# Altium PCB LimeSDR-PCIe_1v3.PcbDoc (part 5 of 10) (continued)
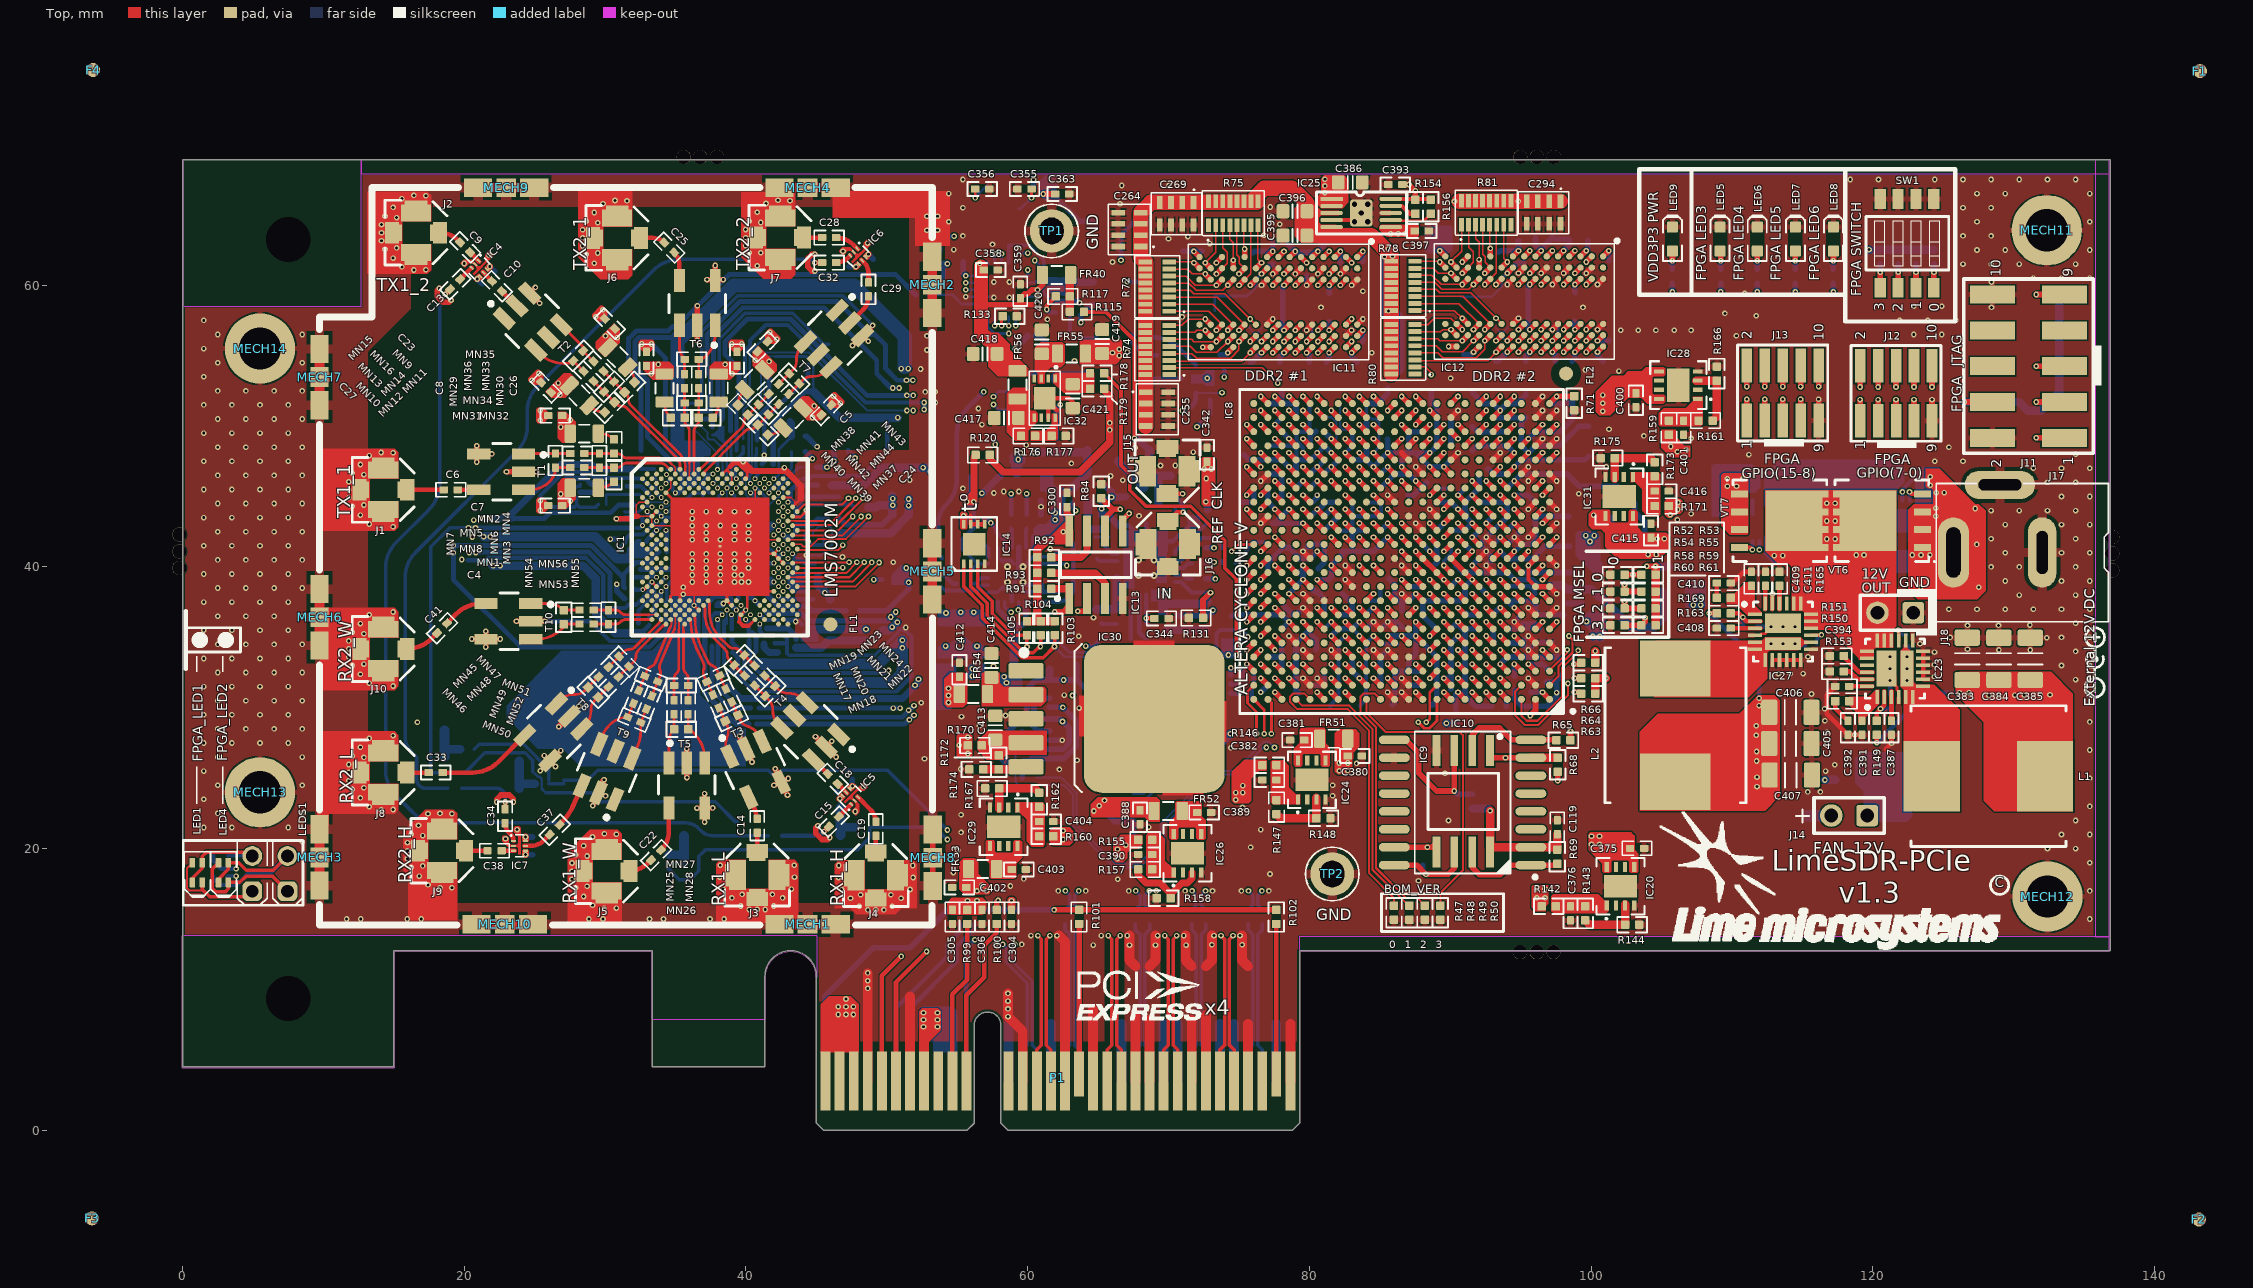
[diagram p0: Top view]
## Nets (pads, with @x,y where several pads share a name; then routed paths per layer and width w, separated by ;. In a path a pad name is that pad's centre, name@x,y a point inside that pad or via, vN(x,y) a via of type N, cw(c..) or ccw(c..) an arc to the next point about the centre after c; other vN are vias at no path point) (continued)
  Bottom w0.4: v1(30.375,41.975) 30.394,41.956 C76.2@30.869,41.956 ; v1(30.8,43.425) 30.835,43.39 31.375,43.39 31.485,43.5 32.044,43.5 C59.2@32.044,43.506 ; v1(30.825,38.775) 30.825,38.3 C96.2@31.394,37.731 ; C97.2@32.524,39.836 35.239,39.836 ; v1(37.184,41.927) 37.684,41.927 R11.2@38.404,42.646 ; v1(39.184,41.927) 39.123,41.927 R11.2@38.404,42.646 ; v1(39.184,42.927) 38.684,42.927 R11.2@38.404,42.646 ; IC16.25@59.375,39.712 IC16.4@59.375,41.387 ; C329.1@60.95,43.712 C316.1@60.95,44.737 ; IC2.7@61.55,27.7 v1(62.45,27.7) ; C352.1@73.825,40.35 C352.1@73.875,40.35 ; 75.125,44.6 76.025,44.6 C104.2@76.025,44.575 76.05,44.6 76.05,45.575 C101.2@76.025,45.575 ; C189.2@77.1,46.6 C206.2@78.05,46.6 R41.1@78.05,45.6 78.05,44.825 78.025,44.8 ; 77.175,33.625 77.2,33.6 C208.2@78.05,33.6 ; 77.225,51.6 R43.1@78.05,51.6 ; C211.2@78.05,32.625 C208.2@78.05,33.6 ; C192.2@78.05,34.6 C208.2@78.05,33.6 ; R43.1@78.05,51.684 78.05,52.509 ; 78.25,37.175 78.825,36.6 C180.2@79.05,36.6 v1(79.55,37.1) C209.2@80.05,36.6 ; R43.1@78.343,51.6 79.075,51.6 C210.2@79.075,51.575 79.075,51.332 79.05,51.332 79.05,50.625 C212.2@79.075,50.6 ; v1(79.55,41.1) 80.025,41.575 C203.2@80.075,41.575 80.196,41.454 80.343,41.6 80.854,41.6 81.05,41.404 81.05,40.3 C165.1@80.625,39.875 ; v1(79.8,60) 79.8,60.625 C270.1@79.825,60.65 ; C216.2@80.05,46.6 v1(80.55,47.1) 80.6,47.1 C200.2@81.05,47.55 ; C143.1@80.1,48.6 80.05,48.65 80.05,49.307 80.343,49.6 80.425,49.6 80.45,49.625 ; 80.475,31.6 C179.2@81.075,31.6 81.05,31.625 81.05,32.4 ; C227.2@81.05,43.55 81.05,43.6 v1(81.55,44.1) ; C177.2@82.05,36.625 82.05,36.6 83.025,36.6 C176.2@83.05,36.625 83.05,37.4 C122.1@82.35,38.1 ; C178.2@83.075,33.625 83.05,33.6 83.05,32.868 83.075,32.868 C175.2@83.075,32.625 83.075,32.575 v1(83.55,32.1) ; 84.05,50.284 84.05,49.625 C202.2@84.075,49.6 ; C249.2@84.075,35.65 84.1,35.65 v1(84.55,36.1) 85.05,35.6 C240.2@85.075,35.6 85.55,36.075 v1(85.55,36.1) 86.2,36.1 C228.2@86.575,35.725 ; v1(84.55,34.1) 85.05,33.6 C229.2@85.05,31.6 ; C182.2@85.075,33.6 85.075,33.625 v1(85.55,34.1) C166.1@86.15,33.5 ; C139.1@87,45.1 87.425,45.1 88.325,46 ; C234.2@87.05,31.65 87.1,31.6 88.05,31.6 C162.2@88.05,31.65 ; v1(88.55,35.1) 88.975,35.525 C161.1@88.975,35.625 88.074,36.526 88.074,36.869 88.05,36.869 88.05,37.601 C222.2@88.074,37.625 88.074,37.6 88.757,37.6 88.782,37.625 89.318,37.625 89.318,37.6 89.757,37.6 89.782,37.625 C248.2@90.05,37.625 90.318,37.625 90.318,37.6 90.757,37.6 90.782,37.625 C244.2@91.05,37.625 91.05,38.6 v1(91.55,39.1) v1(92.55,38.1) 93.025,37.625 C125.2@93.075,37.625 ; v1(88.55,42.1) C235.2@89.075,41.575 89.05,41.55 89.05,40.868 89.075,40.843 89.075,40.332 88.7,39.957 C153.1@88.7,39.95 v1(89.55,39.1) ; v1(89.55,32.1) 90.025,32.1 ; C199.2@90,48.6 90.075,48.675 90.075,48.868 90.05,48.893 90.05,49.307 90.075,49.332 90.075,49.868 90.05,49.868 90.05,50.55 C201.2@90.075,50.575 ; 90.05,31.307 C245.2@90.05,34.575 90.55,35.075 v1(90.55,35.1) ; C214.2@90.05,42.6 91.05,42.6 v1(91.55,43.1) 91.05,43.6 C225.2@91.025,43.6 91.184,43.759 91.05,43.893 91.05,44.6 v1(91.55,45.1) ; 91.125,36.7 91.225,36.6 92.025,36.6 C167.1@92.025,36.625 ; C147.1@91.55,49.95 91.925,49.575 92.318,49.575 92.343,49.6 92.782,49.6 92.782,49.575 93.318,49.575 93.343,49.6 94.05,49.6 C194.2@94.05,49.575 ; C140.1@91.65,52.45 91.65,52.293 92.343,51.6 93.075,51.6 93.075,51.575 v1(93.55,51.1) 93.55,51.125 C169.2@94.05,51.625 94.05,51.6 94.757,51.6 95.35,52.193 C135.1@95.35,52.3 ; 92.025,46.35 92.05,46.325 92.05,45.6 C242.2@92.075,45.575 92.025,45.575 v1(91.55,45.1) ; v1(92.55,40.1) C215.2@93.05,40.6 92.1,41.55 C131.2@92.1,41.625 93.05,42.575 C238.2@93.075,42.575 94.05,43.55 94.05,44.6 C138.2@94,44.6 92.05,44.6 v1(91.55,45.1) ; C221.2@93.025,35.625 93.05,35.6 93.05,34.725 93.125,34.65 ; C193.2@94.05,34.6 95.05,34.6 v1(95.55,35.1) ; C137.1@94.075,41.575 94.075,41.625 v1(94.55,42.1) C156.2@95.05,42.6 ; v1(94.55,36.1) 95.025,36.575 C174.2@95.025,36.625 ; C148.1@95.05,34.575 95.075,34.575 v1(95.55,34.1) C190.2@96.025,34.575 96.1,34.65 97.225,34.65 ; C219.2@97.075,42.575 97.075,42.625 v1(97.55,43.1) ; C184.2@98.35,37.4 C183.2@99.325,37.4
  Bottom w0.6: C339.1@64.25,43.675 C338.1@64.25,44.675 ; 64.875,37 C350.1@66.275,37 ; C350.1@66.325,37.05 66.325,39.2 ; 69.875,35.55 C340.2@70.625,35.55 C341.2@72.625,35.55
  Bottom w0.7: P1.A4@48.65,3.5 48.65,7.55 ; P1.A12@58.65,3.5 58.65,7.55 ; P1.A15@61.65,3.5 61.65,7.55 ; P1.A18@64.65,3.5 64.65,7.55 ; P1.A20@66.65,3.5 66.65,7.55 ; P1.A23@69.65,3.5 69.65,7.55 ; P1.A24@70.65,3.5 70.65,7.55 ; P1.A27@73.65,3.5 73.65,7.55 ; P1.A28@74.65,3.5 74.65,7.55 ; P1.A31@77.65,3.5 77.65,7.55
  Bottom w1: 62.125,53.425 64.15,53.425 XO1.2@64.225,53.5
  other v1: 58.6,8.625 58.6,9.175 48.65,10.075 48.65,10.625 48.65,11.175 64.65,13.15 67.225,13.15 69.075,13.15 71.25,13.15 73.075,13.175 75.225,13.175 57.725,13.2 59.575,13.2 60.225,13.825 62.075,13.825 65.225,13.825 67.075,13.825 69.225,13.825 71.075,13.825 73.225,13.825 75.075,13.825 11.65,15 12.65,15 15.95,15 16.95,15 28.85,15 29.85,15 33.15,15 34.15,15 37.45,15 38.45,15 135.4,15 48.641,15.65 49.216,15.65 49.791,15.65 40.225,15.675 40.8,15.675 41.375,15.675 29.95,15.75 30.8,15.775 48.041,15.9 50.391,15.9 39.625,15.925 41.975,15.925 29.1,15.975 47.416,16.475 51.016,16.475 39,16.5 42.6,16.5 28.475,16.6 39.725,16.75 41.875,16.75 48.141,16.725 50.291,16.725 62.175,17 64.125,17 67.175,17 69.125,17 71.175,17 73.125,17 75.175,17 77.125,17 135.4,17 46.791,17.1 51.641,17.1 38.375,17.125 43.225,17.125 18.275,17.2 19.125,17.225 27.9,17.225 28.725,17.325 58.775,17.35 17.425,17.425 87.75,17.725 27.65,17.825 66.4,17.825 59.725,17.85 46.566,17.95 51.866,17.95 38.15,17.975 43.45,17.975 16.8,18.05 77.2,18.2 54.725,18.3 27.65,18.4 16.225,18.675 17.05,18.775 46.591,18.8 51.841,18.8 38.175,18.825 43.425,18.825 27.65,18.975 135.4,19 15.975,19.275 28.725,19.475 27.9,19.575 15.975,19.85 55.025,19.875 132.4,20 134.4,20 75.825,20.1 28.475,20.2 15.975,20.425 8.5,20.5 22.925,20.7 29.1,20.825 17.05,20.925 133.4,21 135.4,21 16.225,21.025 30.8,21.025 29.95,21.05 55.275,21.15 23.75,21.35 76.55,21.35 1.5,21.5 3.5,21.5 7.5,21.5 68.6,21.525 16.75,21.65 89.875,22 134.4,22 55.275,22.4 17.425,22.475 19.125,22.475 2.5,22.5 8.5,22.5 18.275,22.5 47.764,22.632 14.1,22.75 14.95,22.775 75.25,22.925 13.25,22.975 135.4,23 1.5,23.5 12.625,23.6 81.65,23.75 115.375,24.025 116.275,24.025 12.05,24.225 12.875,24.325 48.347,24.383 2.5,24.5 8.5,24.5 81.65,24.5 11.8,24.825 135.4,25 89.625,25.35 11.8,25.4 1.5,25.5 116.65,25.5 62.25,25.625 55.25,25.65 26.474,25.832 117.3,25.95 11.8,25.975 83.35,26.05 63.5,26.275 52.675,26.375 12.875,26.475 2.5,26.5 8.5,26.5 12.05,26.575 135.4,27 74.425,27.15 12.625,27.2 1.5,27.5 3.5,27.5 5.5,27.5 7.5,27.5 116.725,27.525 13.25,27.825 14.95,28.025 118.725,28.076 116.725,28.275 2.5,28.5 4.5,28.5 6.5,28.5 8.5,28.5 56.575,28.725 16.675,28.975 135.4,29 116.6,29.075 55.3,29.375 58.425,29.45 1.5,29.5 3.5,29.5 5.5,29.5 7.5,29.5 116.575,29.925 63.65,29.975 28.149,30.107 52.45,30.35 2.5,30.5 4.5,30.5 6.5,30.5 8.5,30.5 62.6,30.9 115.65,30.975 135.4,31 1.5,31.5 3.5,31.5 5.5,31.5 7.5,31.5 14.95,31.55 13.25,31.75 134.4,32 124.374,32.201 12.625,32.375 113.3,32.425 114.15,32.425 115.05,32.425 2.5,32.5 4.5,32.5 6.5,32.5 8.5,32.5 57.575,32.95 12.05,33 133.4,33 135.4,33 124.374,33.051 12.875,33.1 1.5,33.5 3.5,33.5 5.5,33.5 7.5,33.5 11.8,33.6 115.4,33.625 124.374,33.951 134.4,34 128.95,34.1 131.175,34.1 126.724,34.151 11.8,34.175 2.5,34.5 4.5,34.5 6.5,34.5 8.5,34.5 123.349,34.551 11.8,34.75 132.35,34.975 125.5,35 133.4,35 135.4,35 63.625,35.075 12.875,35.25 12.05,35.35 1.5,35.5 3.5,35.5 5.5,35.5 7.5,35.5 51.35,35.7 126.725,35.85 128.925,35.85 131.15,35.875 12.625,35.975 134.4,36 43.525,36.125 64.675,36.4 2.5,36.5 4.5,36.5 6.5,36.5 8.5,36.5 13.25,36.6 14.95,36.8 125.4,37 127.4,37 129.4,37 131.4,37 133.4,37 135.4,37 1.5,37.5 3.5,37.5 5.5,37.5 7.5,37.5 130.4,38 134.4,38 35.549,38.056 2.5,38.5 4.5,38.5 6.5,38.5 8.5,38.5 35.549,38.556 36.184,38.927 37.184,38.927 38.184,38.937 39.184,38.927 39.684,38.927 40.184,38.927 129.4,39 133.4,39 135.4,39 36.184,39.427 37.184,39.427 39.184,39.427 39.684,39.427 38.184,39.437 1.5,39.5 3.5,39.5 5.5,39.5 7.5,39.5 36.184,39.927 37.184,39.927 38.184,39.937 39.184,39.927 128.4,40 130.4,40 134.4,40 50.45,40.325 36.184,40.427 37.184,40.427 38.184,40.437 39.184,40.427 40.184,40.427 2.5,40.5 4.5,40.5 6.5,40.5 8.5,40.5 19.825,40.525 46.85,40.7 44.275,40.825 36.184,40.927 37.184,40.927 39.184,40.927 38.184,40.937 129.4,41 133.4,41 135.4,41 61.6,41.275 1.5,41.5 3.5,41.5 5.5,41.5 7.5,41.5 36.184,41.927 38.184,41.937 128.4,42 134.4,42 20.575,42.125 36.184,42.427 37.184,42.427 39.184,42.427 40.184,42.427 2.5,42.5 4.5,42.5 6.5,42.5 8.5,42.5 14.95,42.85 36.184,42.927 37.184,42.927 38.184,42.937 40.184,42.927 129.4,43 133.4,43 135.4,43 13.25,43.05 20.675,43.325 106.125,43.35 36.184,43.427 1.5,43.5 3.5,43.5 5.5,43.5 7.5,43.5 67.9,43.625 12.625,43.675 107.1,43.775 39.184,43.927 38.184,43.937 128.4,44 130.4,44 132.4,44 134.4,44 60.95,44.275 12.05,44.3 12.875,44.4 2.5,44.5 4.5,44.5 6.5,44.5 8.5,44.5 11.8,44.9 133.4,45 135.4,45 99.125,45.2 57.6,45.25 58.3,45.35 59.375,45.35 11.8,45.475 1.5,45.5 3.5,45.5 5.5,45.5 7.5,45.5 55.4,45.575 132.4,46 134.4,46 11.8,46.05 66.75,46.15 51.625,46.175 65.875,46.45 2.5,46.5 4.5,46.5 6.5,46.5 8.5,46.5 12.875,46.55 12.05,46.65 131.4,47 133.4,47 135.4,47 42.725,47.05 46.575,47.075 101.075,47.1 69.425,47.2 70.475,47.2 12.625,47.275 63.1,47.35 39.8,47.475 1.5,47.5 3.5,47.5 5.5,47.5 7.5,47.5 124.4,47.5 126.4,47.5 67.35,47.675 13.25,47.9 41.304,47.931 111.2,47.975 134.4,48 14.95,48.1 14.1,48.125 71.75,48.15 67.625,48.45 2.5,48.5 4.5,48.5 6.5,48.5 8.5,48.5 125.4,48.5 59.9,48.65 107.1,49.125 103.75,49.3 1.5,49.5 3.5,49.5 5.5,49.5 7.5,49.5 101.275,49.775 56.75,50.1 25.395,50.403 2.5,50.5 4.5,50.5 6.5,50.5 8.5,50.5 25.395,51.103 56.5,51.25 1.5,51.5 3.5,51.5 5.5,51.5 7.5,51.5 46.705,51.628 53.45,51.675 46.21,52.123 52.725,52.425 53.425,52.425 2.5,52.5 4.5,52.5 6.5,52.5 8.5,52.5 24.811,53.24 90.025,53.4 1.5,53.5 25.306,53.735 101.975,53.9 99.6,53.975 52.4,54.05 2.5,54.5 8.5,54.5 63.325,54.625 84.425,55.2 52.85,55.4 1.5,55.5 32.595,55.826 38.995,55.826 39.695,55.826 42.18,56.153 52.85,56.4 110.314,56.414 2.5,56.5 8.5,56.5 122.9,56.5 124.9,56.5 102.1,56.8 103.35,56.8 104.6,56.8 105.9,56.8 107.1,56.8 1.5,57.5 121.9,57.5 123.9,57.5 125.9,57.5 61.4,57.575 29.336,57.766 70.975,57.75 111.728,57.828 109.5,58 29.831,58.261 80.825,58.425 99.425,58.425 128.425,58.425 122.9,58.5 124.9,58.5 57.6,59.125 58.7,59.125 110.914,59.414 83.8,59.575 57.6,60.225 58.7,60.225 128.425,60.225 131.4,60.5 133.4,60.5 135.4,60.5 16.425,61.075 17.275,61.1 15.575,61.3 40.8,61.375 126.4,61.5 128.4,61.5 130.4,61.5 134.4,61.5 20.006,61.537 29.225,61.56 66.025,61.65 14.95,61.925 21.756,62.121 28.65,62.185 29.475,62.285 40.225,62.3 41.05,62.3 46.886,62.407 127.4,62.5 129.4,62.5 135.4,62.5 54.75,62.525 14.375,62.55 15.2,62.65 28.4,62.785 39.975,62.8 57.5,62.9 72.925,62.95 48.636,62.99 14.125,63.15 70,63.3 28.4,63.36 39.975,63.375 71.375,63.45 55.4,63.5 126.4,63.5 128.4,63.5 76.775,63.55 14.125,63.725 52.85,63.9 53.6,63.9 28.4,63.935 39.975,63.95 14.125,64.3 77.9,64.325 29.475,64.435 41.05,64.45 54.4,64.5 127.4,64.5 135.4,64.5 28.65,64.535 40.225,64.55 15.2,64.8 14.375,64.9 52.85,64.9 53.6,64.9 77.225,64.925 29.225,65.16 40.8,65.175 55.4,65.5 126.4,65.5 128.4,65.5 14.95,65.525 77.225,65.55 29.85,65.785 66.55,65.775 41.425,65.8 31.55,65.985 43.125,66 30.7,66.01 42.275,66.025 15.575,66.15 17.275,66.35 16.425,66.375 54.4,66.5 127.4,66.5 129.4,66.5 135.4,66.5 14.325,66.9 16.325,66.9 18.325,66.9 27.625,66.9 29.625,66.9 31.625,66.9 33.625,66.9 35.625,66.9 37.625,66.9 39.625,66.9 66.675,67.075 70.025,67.075 55.4,67.5 118.4,67.5 120.4,67.5 122.4,67.5 124.4,67.5 126.4,67.5 128.4,67.5 130.4,67.5 132.4,67.5 134.4,67.5
  other v2: 34.35,46.55
  other v3: 121.224,31.926 112.775,35.75 113.625,35.75 58.575,38.912 67.875,39.375 68.975,39.375 58.575,40.012 67.875,40.475 68.975,40.475
LM75_OS: IC8.K14 IC14.3 R105.2 | length 41.5
  Top w0.25: IC14.3@56.45,40.225 56.45,38.6 57.475,37.575 57.475,36.675 59,35.15 R105.2@59.95,35.15 v1(59.95,34.325)
  Top w0.4: v1(83.55,40.1) IC8.K14@84.05,39.6
  L3 w0.1: v1(59.95,34.325) 60.475,33.8 63.184,33.8 65.734,31.25 74.654,31.25 75.029,30.875 75.967,30.875 76.292,30.55 80.495,30.55 83.2,33.255 83.2,39.75 v1(83.55,40.1)
LMK_CLK: IC8.B9 IC16.15 | length 39.8
  Top w0.2: v1(88.3,28.975) 88.55,29.225 88.55,31.1 IC8.B9@89.05,31.6
  L5 w0.1: v1(59.325,36.95) 60.45,35.825 60.45,33.58 63.155,30.875 v1(63.175,30.875)
  L8 w0.1: v1(63.175,30.875) 66.4,34.1 75.055,34.1 75.405,33.75 82.395,33.75 86.42,29.725 87.55,29.725 v1(88.3,28.975)
  Bottom w0.25: v1@59.375,36.95 IC16.15@59.375,37.537
LMS_CORE_LDO_EN: IC1.U33 IC8.C4 R5.1 | length 60.9
  Top w0.11: IC1.U33@43.31,41.599 43.924,41.599
  Top w0.13: 43.924,41.599 44.081,41.441 44.575,41.441 45.117,41.983 47.099,41.983 48.666,43.55 v1@48.7,43.55
  Top w0.4: v1(93.55,33.1) IC8.C4@94.05,32.6
  L9 w0.1: v1(48.7,43.575) 49.919,42.356 61.344,42.356 62.825,40.875 73.8,40.875 73.975,40.7 79.45,40.7 81.425,38.725 87.42,38.725 93.045,33.1 v1(93.55,33.1)
  Bottom w0.4: v1(93.55,33.1) 94.05,33.6 97.625,33.6 R5.1@97.925,33.3
LMS_DIQ1_D0: IC1.AG31 IC8.D9 | length 59.3
  Top w0.4: v1(88.55,33.1) IC8.D9@89.05,33.6
  L4 w0.1: v2(42.644,38.269) 42.644,37.506 42.8,37.35 51.065,37.35 52.665,35.75 57.475,35.75 57.716,35.75 58.791,34.675 62.125,34.675 cw(c62.125,34.371) 62.429,34.371 62.429,34.304 ccw(c62.733,34.304) 62.733,34 ccw(c62.733,34.304) 63.037,34.304 63.037,34.371 cw(c63.341,34.371) 63.341,34.675 63.375,34.675 64.225,34.675 64.9,34 65.175,34 65.333,34 ccw(c65.333,34.146) 65.479,34.146 cw(c65.783,34.146) 65.783,34.45 cw(c65.783,34.146) 66.087,34.146 ccw(c66.233,34.146) 66.233,34 66.391,34 ccw(c66.391,34.304) 66.695,34.304 66.695,34.449 cw(c66.999,34.449) 66.999,34.753 cw(c66.999,34.449) 67.303,34.449 67.303,34.304 ccw(c67.607,34.304) 67.607,34 ccw(c67.607,34.304) 67.911,34.304 67.911,34.449 cw(c68.215,34.449) 68.215,34.753 cw(c68.215,34.449) 68.519,34.449 68.519,34.304 ccw(c68.823,34.304) 68.823,34 ccw(c68.823,34.304) 69.127,34.304 69.127,34.449 cw(c69.431,34.449) 69.431,34.753 cw(c69.431,34.449) 69.735,34.449 69.735,34.304 ccw(c70.039,34.304) 70.039,34 70.114,34 ccw(c70.114,34.229) 70.343,34.229 cw(c70.647,34.229) 70.647,34.533 cw(c70.647,34.229) 70.951,34.229 ccw(c71.18,34.229) 71.18,34 71.255,34 ccw(c71.255,34.304) 71.559,34.304 71.559,34.449 cw(c71.863,34.449) 71.863,34.753 cw(c71.863,34.449) 72.167,34.449 72.167,34.304 ccw(c72.471,34.304) 72.471,34 72.65,34 72.808,34 74.558,35.75 77.025,35.75 77.138,35.637 77.138,34.712 77.325,34.525 77.55,34.525 77.854,34.525 78.166,34.525 cw(c78.166,34.229) 78.462,34.229 ccw(c78.766,34.229) 78.766,33.925 ccw(c78.766,34.229) 79.07,34.229 cw(c79.366,34.229) 79.366,34.525 79.425,34.525 79.75,34.525 80.054,34.525 80.366,34.525 cw(c80.366,34.229) 80.662,34.229 ccw(c80.966,34.229) 80.966,33.925 ccw(c80.966,34.229) 81.27,34.229 cw(c81.566,34.229) 81.566,34.525 81.878,34.525 81.9,34.525 85.63,34.525 85.8,34.355 85.8,33.638 86.488,32.95 86.9,32.95 87.375,33.425 87.825,33.425 88.15,33.1 v1(88.55,33.1)
LMS_DIQ1_D1: IC1.AF30 IC8.B7 | length 59.2
  Top w0.4: v1(90.55,32.1) IC8.B7@91.05,31.6
  L4 w0.1: v2(42.311,38.602) 41.986,38.277 41.986,37.801 42.637,37.15 50.982,37.15 52.582,35.55 57.633,35.55 59.383,33.8 59.825,33.8 59.877,33.8 ccw(c59.877,34.052) 60.129,34.052 cw(c60.433,34.052) 60.433,34.356 cw(c60.433,34.052) 60.737,34.052 60.737,33.8 60.737,33.304 ccw(c61.041,33.304) 61.041,33 ccw(c61.041,33.304) 61.345,33.304 61.345,33.496 cw(c61.649,33.496) 61.649,33.8 61.8,33.8 69.075,33.8 69.302,33.8 cw(c69.302,33.496) 69.606,33.496 69.606,33.304 ccw(c69.91,33.304) 69.91,33 ccw(c69.91,33.304) 70.214,33.304 70.214,33.496 cw(c70.518,33.496) 70.518,33.8 cw(c70.518,33.496) 70.822,33.496 70.822,33.304 ccw(c71.126,33.304) 71.126,33 ccw(c71.126,33.304) 71.43,33.304 71.43,33.496 cw(c71.734,33.496) 71.734,33.8 cw(c71.734,33.496) 72.038,33.496 72.038,33.405 ccw(c72.342,33.405) 72.342,33.101 ccw(c72.342,33.405) 72.646,33.405 72.646,33.496 cw(c72.95,33.496) 72.95,33.8 73.167,33.8 74.892,35.525 75.63,35.525 77.43,33.725 85.43,33.725 86.405,32.75 90.325,32.75 90.55,32.525 v1(90.55,32.1)
LMS_DIQ1_D2: IC1.AF34 IC8.H8 | length 59.4
  Top w0.15: IC1.AF34@43.643,38.602 47.752,38.602 v1@49.457,40.307
  Top w0.4: v1(89.55,38.1) IC8.H8@90.05,37.6
  L4 w0.1: v1(49.45,40.314) 50.136,41 51.133,41 52.62,39.512 52.95,39.512 ccw(c52.95,39.912) 53.35,39.912 53.35,40.112 cw(c53.75,40.112) 53.75,40.512 cw(c53.75,40.112) 54.15,40.112 54.15,39.912 ccw(c54.55,39.912) 54.55,39.512 ccw(c54.55,39.912) 54.95,39.912 54.95,40.112 cw(c55.35,40.112) 55.35,40.512 cw(c55.35,40.112) 55.75,40.112 55.75,39.912 ccw(c56.15,39.912) 56.15,39.512 ccw(c56.15,39.912) 56.55,39.912 56.55,40.112 cw(c56.95,40.112) 56.95,40.512 cw(c56.95,40.112) 57.35,40.112 57.35,39.912 ccw(c57.75,39.912) 57.75,39.512 58.025,39.512 59.741,39.512 60.678,40.45 65.1,40.45 65.875,39.675 68.375,39.675 68.55,39.85 68.55,40.725 68.7,40.875 69.141,40.875 69.35,40.666 69.35,39.9 69.553,39.697 69.978,39.697 70.181,39.9 74.775,39.9 75.325,40.45 80.695,40.45 81,40.145 81,39.725 81.175,39.55 82.675,39.55 82.9,39.325 82.9,39.075 83.05,38.925 83.475,38.925 83.625,39.075 83.625,39.35 83.825,39.55 85.025,39.55 86.125,38.45 86.125,37.899 86.574,37.45 87.85,37.45 88.025,37.275 88.025,36.925 88.25,36.7 88.65,36.7 88.875,36.925 88.875,37.875 89.1,38.1 v1(89.55,38.1)
LMS_DIQ1_D3: IC1.AE31 IC8.C8 | length 59.3
  Top w0.4: v1(89.55,33.1) IC8.C8@90.05,32.6
  L4 w0.1: v2(42.644,38.935) 42.652,38.927 43.112,38.927 43.302,38.736 43.302,38.467 43.3,38.465 43.3,38 43.75,37.55 51.175,37.55 52.775,35.95 57.799,35.95 58.824,34.925 62.98,34.925 63.53,35.475 63.72,35.475 64.27,34.925 64.574,34.925 64.878,34.925 ccw(c64.878,35.229) 65.182,35.229 65.182,35.302 cw(c65.486,35.302) 65.486,35.606 cw(c65.486,35.302) 65.79,35.302 65.79,34.925 65.79,34.892 ccw(c66.094,34.892) 66.094,34.588 ccw(c66.094,34.892) 66.398,34.892 66.398,34.925 66.398,35.302 cw(c66.702,35.302) 66.702,35.606 cw(c66.702,35.302) 67.006,35.302 67.006,35.229 ccw(c67.31,35.229) 67.31,34.925 ccw(c67.31,35.229) 67.614,35.229 67.614,35.302 cw(c67.918,35.302) 67.918,35.606 cw(c67.918,35.302) 68.222,35.302 68.222,35.229 ccw(c68.526,35.229) 68.526,34.925 ccw(c68.526,35.229) 68.83,35.229 68.83,35.302 cw(c69.134,35.302) 69.134,35.606 cw(c69.134,35.302) 69.438,35.302 69.438,35.229 ccw(c69.742,35.229) 69.742,34.925 ccw(c69.742,35.229) 70.046,35.229 70.046,35.302 cw(c70.35,35.302) 70.35,35.606 cw(c70.35,35.302) 70.654,35.302 70.654,34.925 ccw(c70.885,34.925) 70.885,34.694 71.031,34.694 ccw(c71.031,34.925) 71.262,34.925 71.262,35.302 cw(c71.566,35.302) 71.566,35.606 cw(c71.566,35.302) 71.87,35.302 71.87,35.229 ccw(c72.174,35.229) 72.174,34.925 ccw(c72.174,35.229) 72.478,35.229 72.478,35.302 cw(c72.782,35.302) 72.782,35.606 cw(c72.782,35.302) 73.086,35.302 73.086,35.229 ccw(c73.39,35.229) 73.39,34.925 73.45,34.925 74.975,36.45 76.695,36.45 76.9,36.245 76.9,36.242 77.692,35.45 77.695,35.45 78.395,34.75 85.688,34.75 86.788,33.65 87.883,33.65 88.083,33.45 88.7,33.45 89.05,33.1 v1(89.55,33.1)
LMS_DIQ1_D4: IC1.AD30 IC8.C7 | length 59.3
  Top w0.4: v1(90.55,33.1) IC8.C7@91.05,32.6
  L4 w0.1: v2(42.311,39.268) 43.053,39.268 43.502,38.819 43.502,38.081 43.833,37.75 47.025,37.75 47.625,38.35 48.045,38.35 48.47,37.925 49.449,37.925 50.099,38.575 50.5,38.575 52.925,36.15 57.881,36.15 58.906,35.125 59.125,35.125 59.225,35.125 ccw(c59.225,35.425) 59.525,35.425 cw(c59.925,35.425) 59.925,35.825 cw(c59.925,35.425) 60.325,35.425 ccw(c60.625,35.425) 60.625,35.125 61.125,35.125 61.35,35.125 62.897,35.125 63.597,35.825 68.83,35.825 ccw(c68.83,36.129) 69.134,36.129 69.134,36.464 cw(c69.438,36.464) 69.438,36.768 cw(c69.438,36.464) 69.742,36.464 69.742,36.129 ccw(c70.046,36.129) 70.046,35.825 ccw(c70.046,36.129) 70.35,36.129 70.35,36.464 cw(c70.654,36.464) 70.654,36.768 cw(c70.654,36.464) 70.958,36.464 70.958,36.129 ccw(c71.262,36.129) 71.262,35.825 ccw(c71.262,36.129) 71.566,36.129 71.566,36.256 cw(c71.87,36.256) 71.87,36.56 cw(c71.87,36.256) 72.174,36.256 72.174,36.129 ccw(c72.478,36.129) 72.478,35.825 72.95,35.825 74.063,35.825 74.988,36.75 76.678,36.75 77.1,36.328 77.1,36.325 77.775,35.65 77.778,35.65 77.878,35.55 85.605,35.55 85.935,35.22 85.935,34.785 86.846,33.875 87.941,33.875 88.166,33.65 90.375,33.65 90.55,33.475 v1(90.55,33.1)
LMS_DIQ1_D5: IC1.AC29 IC8.C9 | length 59.3
  Top w0.4: v1(88.55,32.1) IC8.C9@89.05,32.6
  L4 w0.1: v2(41.978,39.601) 41.6,39.223 41.6,37.904 42.579,36.925 48.68,36.925 50.255,35.35 57.367,35.35 ; 57.367,35.35 57.533,35.35 60.099,32.784 62.325,32.784 ccw(c62.325,33.088) 62.629,33.088 62.629,33.238 cw(c62.933,33.238) 62.933,33.542 cw(c62.933,33.238) 63.237,33.238 63.237,33.088 ccw(c63.541,33.088) 63.541,32.784 ccw(c63.541,33.088) 63.845,33.088 63.845,33.238 cw(c64.149,33.238) 64.149,33.542 cw(c64.149,33.238) 64.453,33.238 64.453,33.088 ccw(c64.757,33.088) 64.757,32.784 ccw(c64.757,33.088) 65.061,33.088 65.061,33.238 cw(c65.365,33.238) 65.365,33.542 cw(c65.365,33.238) 65.669,33.238 65.669,33.088 ccw(c65.973,33.088) 65.973,32.784 ccw(c65.973,33.088) 66.277,33.088 66.277,33.238 cw(c66.581,33.238) 66.581,33.542 cw(c66.581,33.238) 66.885,33.238 66.885,33.088 ccw(c67.189,33.088) 67.189,32.784 ccw(c67.189,33.088) 67.493,33.088 67.493,33.238 cw(c67.797,33.238) 67.797,33.542 cw(c67.797,33.238) 68.101,33.238 68.101,33.088 ccw(c68.405,33.088) 68.405,32.784 ccw(c68.405,33.088) 68.709,33.088 68.709,33.238 cw(c69.013,33.238) 69.013,33.542 cw(c69.013,33.238) 69.317,33.238 69.317,33.088 ccw(c69.621,33.088) 69.621,32.784 69.825,32.784 72.434,32.784 74.1,34.45 75.705,34.45 76.38,33.775 77.05,33.775 77.3,33.525 84.625,33.525 85.7,32.45 88.2,32.45 v1(88.55,32.1)
LMS_DIQ1_D6: IC1.AE33 IC8.H7 | length 59.3
  Top w0.15: IC1.AE33@43.31,38.935 43.327,38.952 47.577,38.952 v1@48.935,40.31
  Top w0.4: v1(90.55,38.1) IC8.H7@91.05,37.6
  L4 w0.1: v1@48.925,40.345 v1(48.925,40.32) 48.925,40 49.125,39.8 49.78,39.8 50.05,40.07 50.05,40.525 50.275,40.75 51.1,40.75 52.538,39.312 60.35,39.312 ccw(c60.35,39.616) 60.654,39.616 60.654,39.789 cw(c60.958,39.789) 60.958,40.093 cw(c60.958,39.789) 61.262,39.789 61.262,39.312 61.262,38.836 ccw(c61.566,38.836) 61.566,38.532 ccw(c61.566,38.836) 61.87,38.836 61.87,39.312 61.87,39.789 cw(c62.174,39.789) 62.174,40.093 cw(c62.174,39.789) 62.478,39.789 62.478,39.312 62.478,38.836 ccw(c62.782,38.836) 62.782,38.532 ccw(c62.782,38.836) 63.086,38.836 63.086,39.312 63.086,39.606 cw(c63.39,39.606) 63.39,39.91 cw(c63.39,39.606) 63.694,39.606 63.694,39.568 ccw(c63.95,39.568) 63.95,39.312 67.372,39.312 67.709,38.975 69.539,38.975 70.264,39.7 80.455,39.7 81.43,38.725 85.279,38.725 85.8,38.204 85.8,37.941 86.891,36.85 87.741,36.85 88.141,36.45 88.825,36.45 89.125,36.75 89.125,37.25 89.325,37.45 90.35,37.45 90.55,37.65 v1(90.55,38.1)
LMS_DIQ1_D7: IC1.AD32 IC8.G8 | length 59.3
  Top w0.11: IC1.AD32@42.977,39.268 43.585,39.268
  Top w0.15: 43.585,39.268 45.813,39.268 47.348,39.268 48.4,40.32 v1(48.4,40.325)
  Top w0.4: v1(89.55,37.1) IC8.G8@90.05,36.6
  L4 w0.1: v1(48.4,40.325) 48.4,39.75 48.575,39.575 51.883,39.575 53.258,38.2 53.475,38.2 ccw(c53.475,38.504) 53.779,38.504 53.779,38.809 cw(c54.083,38.809) 54.083,39.113 cw(c54.083,38.809) 54.387,38.809 54.387,38.504 ccw(c54.691,38.504) 54.691,38.2 ccw(c54.691,38.504) 54.995,38.504 54.995,38.809 cw(c55.299,38.809) 55.299,39.113 cw(c55.299,38.809) 55.603,38.809 55.603,38.504 ccw(c55.907,38.504) 55.907,38.2 ccw(c55.907,38.504) 56.211,38.504 56.211,38.809 cw(c56.515,38.809) 56.515,39.113 cw(c56.515,38.809) 56.819,38.809 56.819,38.504 ccw(c57.123,38.504) 57.123,38.2 ccw(c57.123,38.504) 57.427,38.504 57.427,38.809 cw(c57.731,38.809) 57.731,39.113 cw(c57.731,38.809) 58.035,38.809 58.035,38.504 ccw(c58.339,38.504) 58.339,38.2 58.643,38.2 58.675,38.2 66.075,38.2 ccw(c66.075,38.6) 66.475,38.6 66.475,38.713 cw(c66.875,38.713) 66.875,39.113 cw(c66.875,38.713) 67.275,38.713 67.275,38.6 ccw(c67.675,38.6) 67.675,38.2 68.075,38.2 68.375,38.2 69.047,38.2 70.347,39.5 72.725,39.5 73.15,39.5 73.7,39.5 cw(c73.7,39.25) 73.95,39.25 ccw(c74.35,39.25) 74.35,38.85 ccw(c74.35,39.25) 74.75,39.25 cw(c75,39.25) 75,39.5 75.15,39.5 76.425,39.5 76.625,39.5 77.217,39.5 cw(c77.217,39.292) 77.425,39.292 ccw(c77.825,39.292) 77.825,38.892 ccw(c77.825,39.292) 78.225,39.292 cw(c78.433,39.292) 78.433,39.5 78.625,39.5 79.655,39.5 79.925,39.23 79.925,38.85 80.25,38.525 83.63,38.525 84.505,37.65 85.808,37.65 86.808,36.65 87.658,36.65 88.083,36.225 88.897,36.225 89.55,36.878 v1(89.55,37.1)
LMS_DIQ1_D8: IC1.AC31 IC8.E8 | length 59.3
  Top w0.4: v1(89.55,35.1) IC8.E8@90.05,34.6
  L4 w0.1: v2(42.644,39.601) 42.72,39.525 43.079,39.525 43.554,39.05 47.628,39.05 48.553,38.125 49.366,38.125 50.016,38.775 50.583,38.775 53.008,36.35 57.964,36.35 58.289,36.025 58.65,36.025 ccw(c58.65,36.329) 58.954,36.329 58.954,36.4 cw(c59.258,36.4) 59.258,36.704 cw(c59.258,36.4) 59.562,36.4 59.562,36.329 ccw(c59.866,36.329) 59.866,36.025 ccw(c59.866,36.329) 60.17,36.329 60.17,36.775 cw(c60.474,36.775) 60.474,37.079 cw(c60.474,36.775) 60.778,36.775 60.778,36.025 60.778,35.629 ccw(c61.082,35.629) 61.082,35.325 ccw(c61.082,35.629) 61.386,35.629 61.386,36.025 61.386,36.298 cw(c61.69,36.298) 61.69,36.602 cw(c61.69,36.298) 61.994,36.298 61.994,36.025 61.994,35.629 ccw(c62.298,35.629) 62.298,35.325 ccw(c62.298,35.629) 62.602,35.629 62.602,35.721 cw(c62.906,35.721) 62.906,36.025 64.05,36.025 68.525,36.025 68.85,36.35 68.85,36.85 69.125,37.125 72.15,37.125 72.475,36.8 72.475,36.475 72.925,36.025 73.98,36.025 75.48,37.525 77.62,37.525 79.395,35.75 85.975,35.75 86.275,35.45 86.705,35.45 86.9,35.255 86.9,34.75 87.2,34.45 89.275,34.45 89.55,34.725 v1(89.55,35.1)
LMS_DIQ1_D9: IC1.AC33 IC8.G7 | length 59.3
  Top w0.15: IC1.AC33@43.31,39.601 43.352,39.559 47.109,39.559 v1(47.875,40.325)
  Top w0.4: v1(90.55,37.1) IC8.G7@91.05,36.6
  L4 w0.1: v1(47.875,40.325) 47.875,39.658 48.783,38.75 49.142,38.75 49.767,39.375 51.8,39.375 53.175,38 69.13,38 69.78,38.65 70.025,38.65 ccw(c70.025,38.954) 70.329,38.954 cw(c70.633,38.954) 70.633,39.258 cw(c70.633,38.954) 70.937,38.954 70.937,38.65 70.937,38.11 ccw(c71.241,38.11) 71.241,37.806 ccw(c71.241,38.11) 71.545,38.11 71.545,38.65 71.545,38.915 cw(c71.849,38.915) 71.849,39.219 cw(c71.849,38.915) 72.153,38.915 72.153,38.65 72.153,38.452 ccw(c72.457,38.452) 72.457,38.148 ccw(c72.457,38.452) 72.761,38.452 72.761,38.65 cw(c73.065,38.65) 73.065,38.954 cw(c73.065,38.65) 73.369,38.65 73.369,38.11 ccw(c73.673,38.11) 73.673,37.806 ccw(c73.673,38.11) 73.977,38.11 73.977,38.346 cw(c74.281,38.346) 74.281,38.65 74.35,38.65 79.505,38.65 80.505,37.65 80.8,37.65 80.925,37.65 ccw(c80.925,37.925) 81.2,37.925 cw(c81.6,37.925) 81.6,38.325 cw(c81.6,37.925) 82,37.925 ccw(c82.275,37.925) 82.275,37.65 82.525,37.65 ccw(c82.525,37.925) 82.8,37.925 cw(c83.2,37.925) 83.2,38.325 cw(c83.2,37.925) 83.6,37.925 ccw(c83.875,37.925) 83.875,37.65 83.925,37.65 84.222,37.65 84.422,37.45 85.725,37.45 86.725,36.45 87.575,36.45 88,36.025 88.98,36.025 89.405,36.45 90.35,36.45 90.55,36.65 v1(90.55,37.1)